# Altium PCB OECU_BASE.PcbDoc (part 5 of 6) (continued)
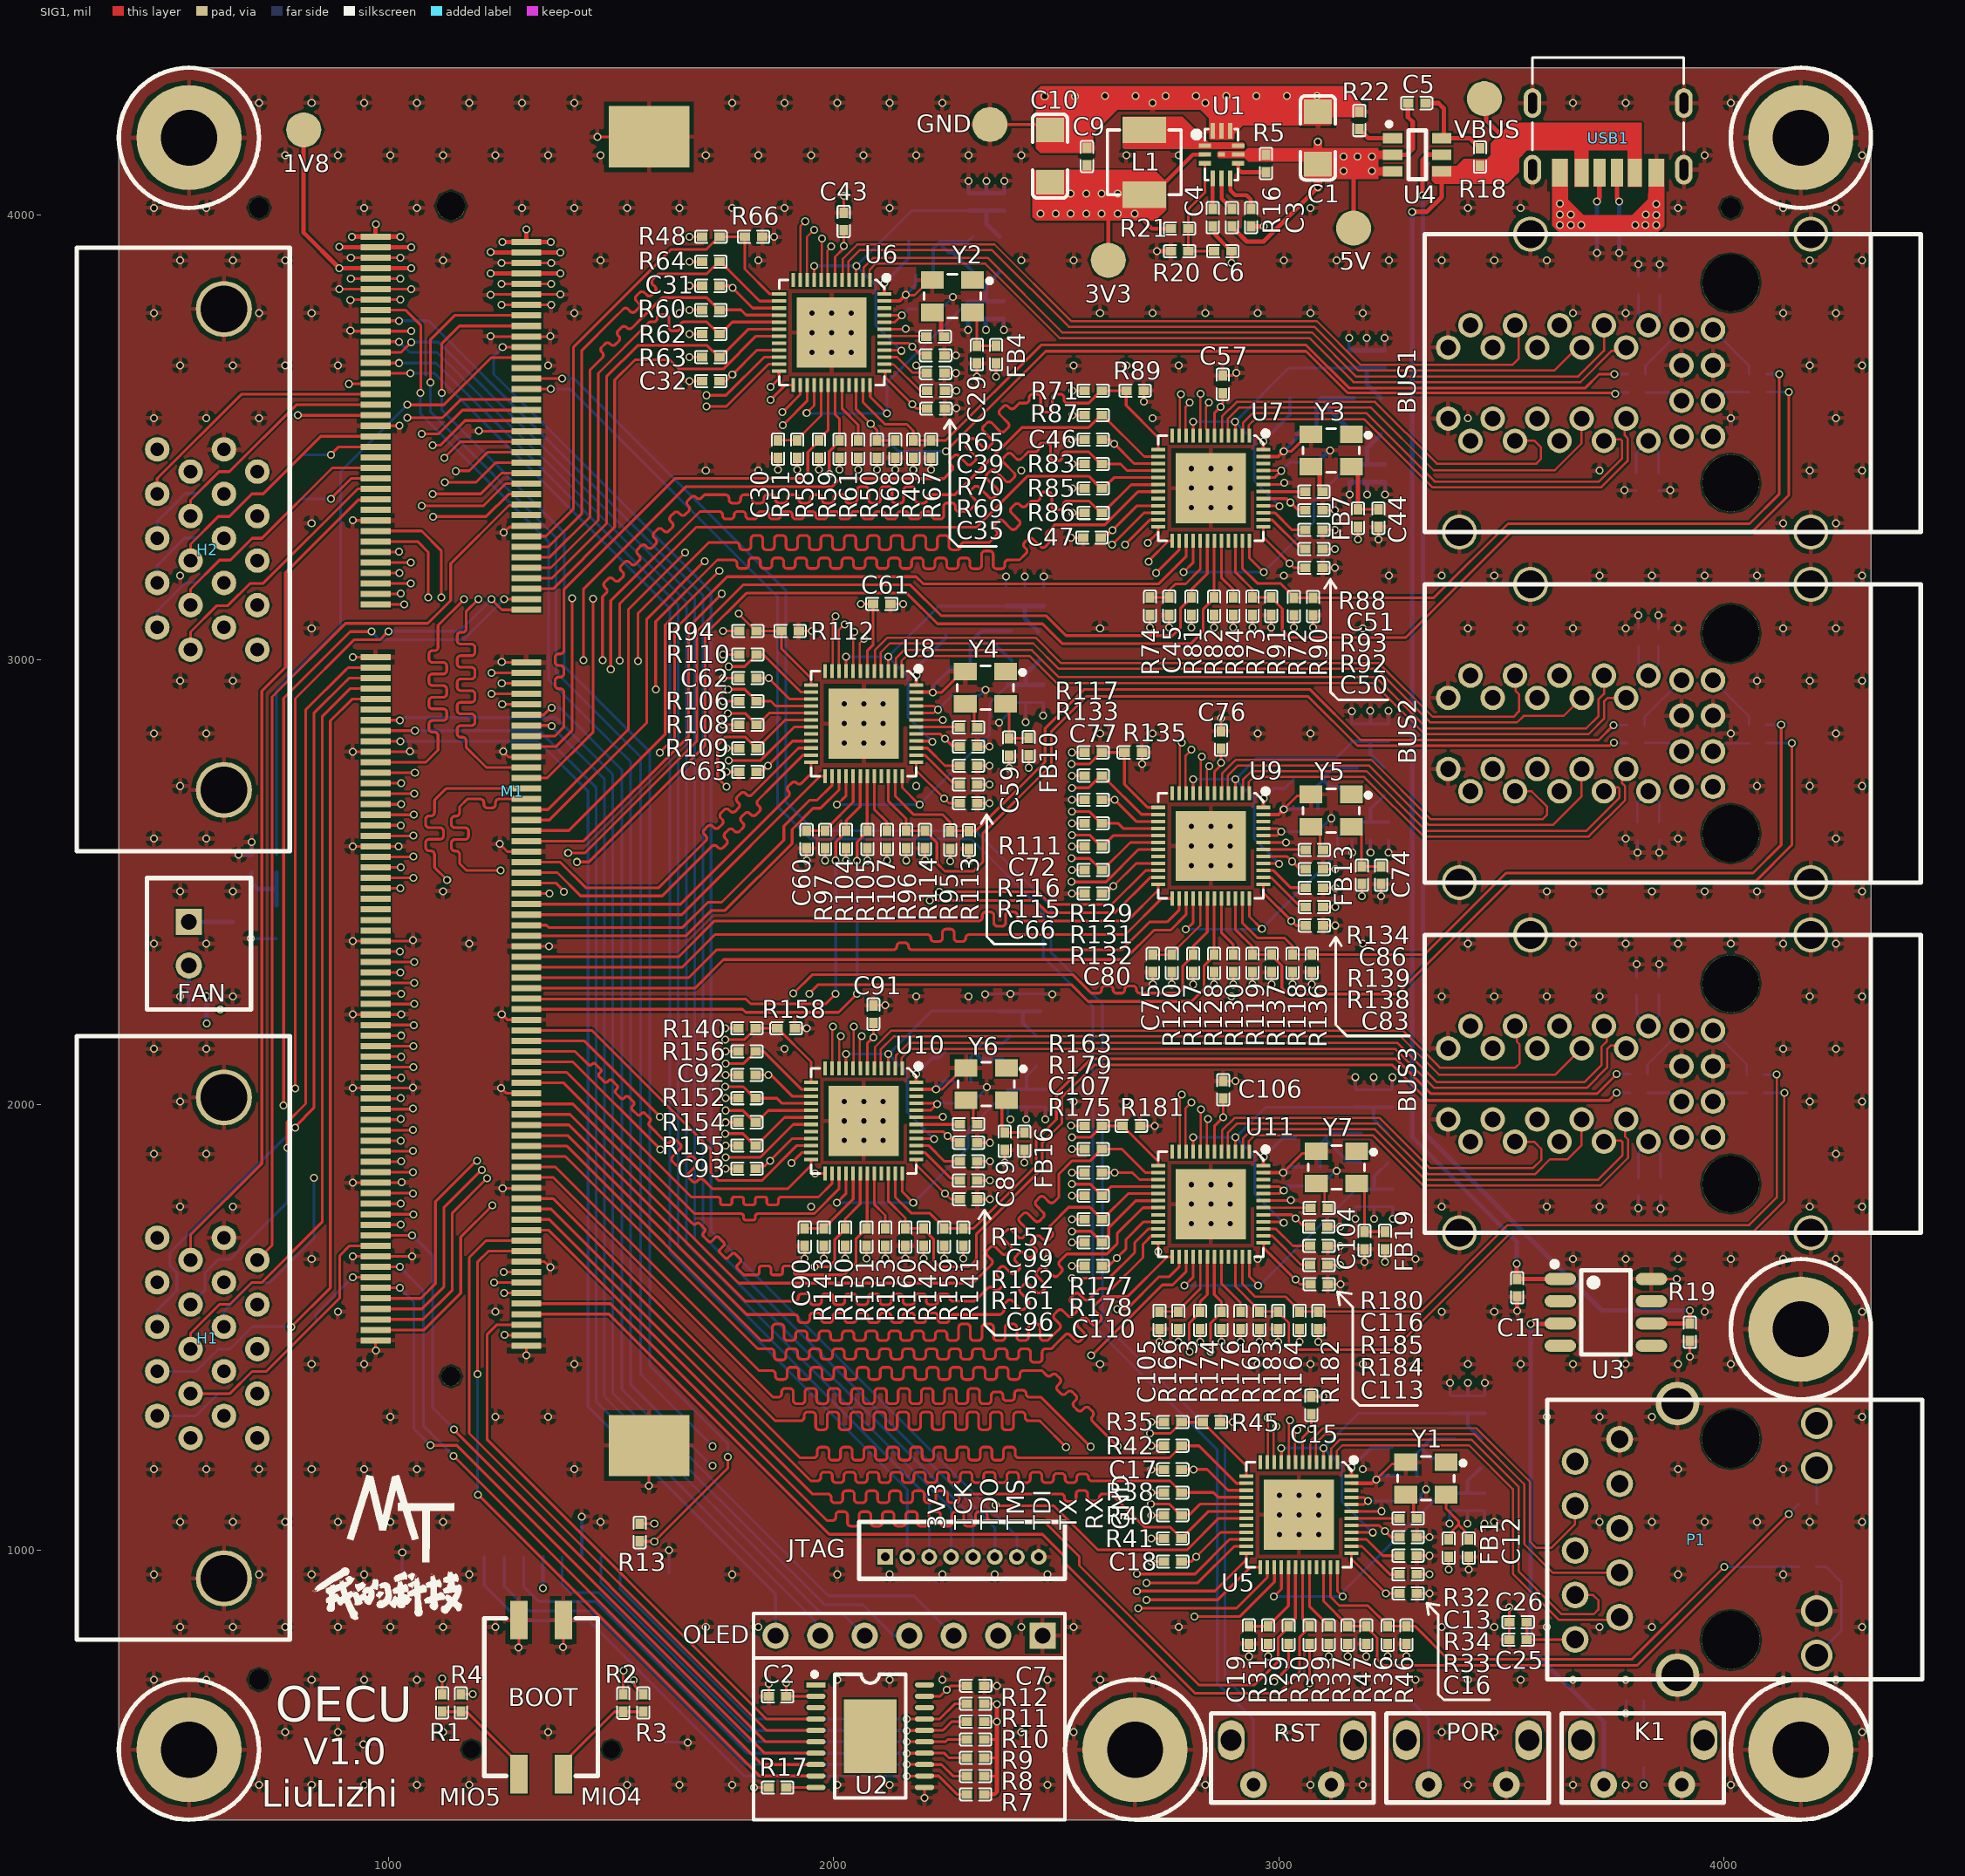
[diagram p0: SIG1 view]
## Nets (pads, with @x,y where several pads share a name; then routed paths per layer and width w, separated by ;. In a path a pad name is that pad's centre, name@x,y a point inside that pad or via, vN(x,y) a via of type N, cw(c..) or ccw(c..) an arc to the next point about the centre after c; other vN are vias at no path point) (continued)
  SIG3 w6: v1(1094,3623) 1094,3557 1376,3275 1376,2972 1566,2782 1566,1395 v1(1728,1233)
MIO7: M1.24 R190.1 | length 1444.5
  SIG1 w6: v1(1042,3573) 1124,3573 1230.45,3679.45 M1.24@1309.29,3679.45
  SIG3 w6: R190.1@748,2561.68 748,2931 892,3075 892,3423 v1(1042,3573)
MIO8: JTAG.6 M1.17 | length 3424
  SIG1 w6.16: M1.17@970.71,3762.13 970.83,3762 v1(1023,3762)
  SIG3 w6.16: v1(1023,3762) 1089.87,3762 1340.41,3511.46 1705.96,3145.91 1705.96,1705.98 2362.2,1049.73 JTAG.6@2362.2,984.25
MIO9: JTAG.7 M1.22 | length 3267.2
  SIG1 w6.16: v1(1256,3703) 1309.22,3703 M1.22@1309.29,3703.07
  SIG3 w6.16: v1(1256,3703) 1236,3683 1236,3642 1348.06,3529.94 1724.44,3153.56 1724.44,1717.56 2411.42,1030.58 JTAG.7@2411.42,984.25
MIO16: M1.176 U5.22 | length 2698.7
  SIG1 w6.16: M1.176@1309.29,1789.68 1369.32,1789.68 1869,1290 1922.46,1290 1925.54,1290 ccw(c1925.54,1297.85) 1933.39,1297.85 1933.39,1302.15 cw(c1941.24,1302.15) 1941.24,1310 1951.7,1310 cw(c1951.7,1302.15) 1959.55,1302.15 1959.55,1277.85 ccw(c1967.4,1277.85) 1967.4,1270 1977.86,1270 ccw(c1977.86,1277.85) 1985.71,1277.85 1985.71,1302.15 cw(c1993.56,1302.15) 1993.56,1310 2004.02,1310 cw(c2004.02,1302.15) 2011.87,1302.15 2011.87,1277.85 ccw(c2019.72,1277.85) 2019.72,1270 2030.18,1270 ccw(c2030.18,1277.85) 2038.03,1277.85 2038.03,1302.15 cw(c2045.88,1302.15) 2045.88,1310 2056.34,1310 cw(c2056.34,1302.15) 2064.19,1302.15 2064.19,1277.85 ccw(c2072.04,1277.85) 2072.04,1270 2082.5,1270 ccw(c2082.5,1277.85) 2090.35,1277.85 2090.35,1302.15 cw(c2098.2,1302.15) 2098.2,1310 2108.66,1310 cw(c2108.66,1302.15) 2116.51,1302.15 2116.51,1277.85 ccw(c2124.36,1277.85) 2124.36,1270 2134.82,1270 ccw(c2134.82,1277.85) 2142.67,1277.85 2142.67,1302.15 cw(c2150.52,1302.15) 2150.52,1310 2160.98,1310 cw(c2160.98,1302.15) 2168.83,1302.15 2168.83,1277.85 ccw(c2176.68,1277.85) 2176.68,1270 2187.14,1270 ccw(c2187.14,1277.85) 2194.99,1277.85 2194.99,1302.15 cw(c2202.84,1302.15) 2202.84,1310 2213.3,1310 cw(c2213.3,1302.15) 2221.15,1302.15 2221.15,1277.85 ccw(c2229,1277.85) 2229,1270 2239.46,1270 ccw(c2239.46,1277.85) 2247.31,1277.85 2247.31,1302.15 cw(c2255.16,1302.15) 2255.16,1310 2265.62,1310 cw(c2265.62,1302.15) 2273.47,1302.15 2273.47,1277.85 ccw(c2281.32,1277.85) 2281.32,1270 2291.78,1270 ccw(c2291.78,1277.85) 2299.63,1277.85 2299.63,1302.15 cw(c2307.48,1302.15) 2307.48,1310 2317.94,1310 cw(c2317.94,1302.15) 2325.79,1302.15 2325.79,1277.85 ccw(c2333.64,1277.85) 2333.64,1270 2344.1,1270 ccw(c2344.1,1277.85) 2351.95,1277.85 2351.95,1302.15 cw(c2359.8,1302.15) 2359.8,1310 2370.26,1310 cw(c2370.26,1302.15) 2378.11,1302.15 2378.11,1277.85 ccw(c2385.96,1277.85) 2385.96,1270 2396.42,1270 ccw(c2396.42,1277.85) 2404.27,1277.85 2404.27,1302.15 cw(c2412.12,1302.15) 2412.12,1310 2422.58,1310 cw(c2422.58,1302.15) 2430.43,1302.15 2430.43,1297.85 ccw(c2438.28,1297.85) 2438.28,1290 2463,1290 2468.53,1284.47 v1(2522,1231) ; v1(2681,946) 2812,946 2889.77,1023.77 U5.22@2927.28,1023.77
  SIG2 w5.61: v1(2522,1231) 2522,1182.83 2649,1055.83 2649,978 v1(2681,946)
MIO17: M1.171 U5.23 | length 2730.1
  SIG1 w6.16: M1.171@970.71,1848.74 1054.74,1848.74 v1(1055,1849) ; v1(2703,926) 2818.13,926 2900.16,1008.02 U5.23@2927.28,1008.02
  SIG2 w5.61: v1(1055,1849) 1178.93,1725.07 1401.57,1725.07 1872.64,1254 1973.06,1254 1975.86,1254 ccw(c1975.86,1261.68) 1983.55,1261.68 1983.55,1262.96 cw(c1991.23,1262.96) 1991.23,1270.64 2001.47,1270.64 cw(c2001.47,1262.96) 2009.16,1262.96 2009.16,1246.42 ccw(c2016.84,1246.42) 2016.84,1238.74 2027.08,1238.74 ccw(c2027.08,1246.42) 2034.77,1246.42 2034.77,1262.96 cw(c2042.45,1262.96) 2042.45,1270.64 2052.69,1270.64 cw(c2052.69,1262.96) 2060.38,1262.96 2060.38,1246.42 ccw(c2068.06,1246.42) 2068.06,1238.74 2078.3,1238.74 ccw(c2078.3,1246.42) 2085.99,1246.42 2085.99,1262.96 cw(c2093.67,1262.96) 2093.67,1270.64 2103.91,1270.64 cw(c2103.91,1262.96) 2111.6,1262.96 2111.6,1246.42 ccw(c2119.28,1246.42) 2119.28,1238.74 2129.52,1238.74 ccw(c2129.52,1246.42) 2137.21,1246.42 2137.21,1262.96 cw(c2144.89,1262.96) 2144.89,1270.64 2155.13,1270.64 cw(c2155.13,1262.96) 2162.82,1262.96 2162.82,1246.42 ccw(c2170.5,1246.42) 2170.5,1238.74 2180.74,1238.74 ccw(c2180.74,1246.42) 2188.43,1246.42 2188.43,1262.96 cw(c2196.11,1262.96) 2196.11,1270.64 2206.35,1270.64 cw(c2206.35,1262.96) 2214.04,1262.96 2214.04,1246.42 ccw(c2221.72,1246.42) 2221.72,1238.74 2231.96,1238.74 ccw(c2231.96,1246.42) 2239.65,1246.42 2239.65,1262.96 cw(c2247.33,1262.96) 2247.33,1270.64 2257.57,1270.64 cw(c2257.57,1262.96) 2265.26,1262.96 2265.26,1246.42 ccw(c2272.94,1246.42) 2272.94,1238.74 2283.18,1238.74 ccw(c2283.18,1246.42) 2290.87,1246.42 2290.87,1262.96 cw(c2298.55,1262.96) 2298.55,1270.64 2308.79,1270.64 cw(c2308.79,1262.96) 2316.48,1262.96 2316.48,1261.68 ccw(c2324.16,1261.68) 2324.16,1254 2345.14,1254 2395,1254 2619,1030 2619,973 2666,926 v1(2703,926)
MIO18: M1.175 U5.24 | length 2698.7
  SIG1 w6.16: M1.175@970.71,1801.49 1054.51,1801.49 v1(1055,1801) ; v1(2681,907.52) 2856.52,907.52 2927.28,978.28 U5.24@2927.28,992.28
  SIG2 w5.61: v1(1055,1801) 1074.29,1801 1168.15,1707.14 1394.15,1707.14 1903.29,1198 1995.61,1198 1998.41,1198 ccw(c1998.41,1205.68) 2006.09,1205.68 2006.09,1205.88 cw(c2013.78,1205.88) 2013.78,1213.56 2024.02,1213.56 cw(c2024.02,1205.88) 2031.7,1205.88 2031.7,1190.61 ccw(c2039.39,1190.61) 2039.39,1182.93 2049.63,1182.93 ccw(c2049.63,1190.61) 2057.31,1190.61 2057.31,1205.88 cw(c2065,1205.88) 2065,1213.56 2075.24,1213.56 cw(c2075.24,1205.88) 2082.92,1205.88 2082.92,1190.61 ccw(c2090.61,1190.61) 2090.61,1182.93 2100.85,1182.93 ccw(c2100.85,1190.61) 2108.53,1190.61 2108.53,1205.88 cw(c2116.22,1205.88) 2116.22,1213.56 2126.46,1213.56 cw(c2126.46,1205.88) 2134.14,1205.88 2134.14,1190.61 ccw(c2141.83,1190.61) 2141.83,1182.93 2152.07,1182.93 ccw(c2152.07,1190.61) 2159.75,1190.61 2159.75,1205.88 cw(c2167.44,1205.88) 2167.44,1213.56 2177.68,1213.56 cw(c2177.68,1205.88) 2185.36,1205.88 2185.36,1190.61 ccw(c2193.05,1190.61) 2193.05,1182.93 2203.29,1182.93 ccw(c2203.29,1190.61) 2210.97,1190.61 2210.97,1205.88 cw(c2218.66,1205.88) 2218.66,1213.56 2228.9,1213.56 cw(c2228.9,1205.88) 2236.58,1205.88 2236.58,1190.61 ccw(c2244.27,1190.61) 2244.27,1182.93 2254.51,1182.93 ccw(c2254.51,1190.61) 2262.19,1190.61 2262.19,1205.88 cw(c2269.88,1205.88) 2269.88,1213.56 2280.12,1213.56 cw(c2280.12,1205.88) 2287.8,1205.88 2287.8,1190.61 ccw(c2295.49,1190.61) 2295.49,1182.93 2305.73,1182.93 ccw(c2305.73,1190.61) 2313.41,1190.61 2313.41,1205.88 cw(c2321.1,1205.88) 2321.1,1213.56 2331.34,1213.56 cw(c2331.34,1205.88) 2339.02,1205.88 2339.02,1205.68 ccw(c2346.71,1205.68) 2346.71,1198 2400,1198 2401.62,1196.38 2591,1007 2591,970 2654,907 2680.48,907 v1(2681,907.52)
MIO19: M1.177 U5.25 | length 2398.6
  SIG1 w6.16: M1.177@970.71,1777.87 1026.87,1777.87 v1(1027,1778) ; v1(2703,888) 2863.13,888 2935.91,960.78 U5.25@2958.77,960.78
  SIG2 w5.61: v1(1027,1778) 1071.93,1778 1160.72,1689.21 1386.72,1689.21 1910.93,1165 2386,1165 2563.86,987.14 2563.86,967.14 2643,888 v1(2703,888)
MIO20: M1.179 U5.26 | length 2575.6
  SIG1 w6.16: M1.179@970.71,1754.25 1055.75,1754.25 v1(1056,1754) ; v1(2684,869) 2905,869 2974.52,938.52 U5.26@2974.52,960.78
  SIG2 w5.61: v1(1056,1754) 1057.1,1752.9 1068.1,1752.9 1149.72,1671.28 1379.29,1671.28 1914.57,1136 1970.49,1136 1998.9,1136 cw(c1998.9,1128.32) 2006.59,1128.32 2006.59,1126.55 ccw(c2014.27,1126.55) 2014.27,1118.86 2024.51,1118.86 ccw(c2024.51,1126.55) 2032.2,1126.55 2032.2,1134.4 cw(c2039.88,1134.4) 2039.88,1142.08 2050.12,1142.08 cw(c2050.12,1134.4) 2057.81,1134.4 2057.81,1126.55 ccw(c2065.49,1126.55) 2065.49,1118.86 2075.73,1118.86 ccw(c2075.73,1126.55) 2083.42,1126.55 2083.42,1134.4 cw(c2091.1,1134.4) 2091.1,1142.08 2101.34,1142.08 cw(c2101.34,1134.4) 2109.03,1134.4 2109.03,1126.55 ccw(c2116.71,1126.55) 2116.71,1118.86 2126.95,1118.86 ccw(c2126.95,1126.55) 2134.64,1126.55 2134.64,1134.4 cw(c2142.32,1134.4) 2142.32,1142.08 2152.56,1142.08 cw(c2152.56,1134.4) 2160.25,1134.4 2160.25,1126.55 ccw(c2167.93,1126.55) 2167.93,1118.86 2178.17,1118.86 ccw(c2178.17,1126.55) 2185.86,1126.55 2185.86,1134.4 cw(c2193.54,1134.4) 2193.54,1142.08 2203.78,1142.08 cw(c2203.78,1134.4) 2211.47,1134.4 2211.47,1126.55 ccw(c2219.15,1126.55) 2219.15,1118.86 2229.39,1118.86 ccw(c2229.39,1126.55) 2237.08,1126.55 2237.08,1128.32 cw(c2244.76,1128.32) 2244.76,1136 2298.51,1136 2368.93,1136 2632.54,872.39 2632.61,872.39 2636,869 v1(2684,869)
MIO21: M1.172 U5.27 | length 2786.7
  SIG1 w6.16: M1.172@1309.29,1836.92 1370.08,1836.92 1864,1343 1872.13,1343 1875.22,1343 ccw(c1875.22,1350.85) 1883.06,1350.85 1883.06,1355.15 cw(c1890.91,1355.15) 1890.91,1363 1901.38,1363 cw(c1901.38,1355.15) 1909.22,1355.15 1909.22,1336.32 ccw(c1917.07,1336.32) 1917.07,1328.47 1927.54,1328.47 ccw(c1927.54,1336.32) 1935.38,1336.32 1935.38,1355.15 cw(c1943.23,1355.15) 1943.23,1363 1953.7,1363 cw(c1953.7,1355.15) 1961.54,1355.15 1961.54,1336.32 ccw(c1969.39,1336.32) 1969.39,1328.47 1979.86,1328.47 ccw(c1979.86,1336.32) 1987.7,1336.32 1987.7,1355.15 cw(c1995.55,1355.15) 1995.55,1363 2006.02,1363 cw(c2006.02,1355.15) 2013.86,1355.15 2013.86,1336.32 ccw(c2021.71,1336.32) 2021.71,1328.47 2032.18,1328.47 ccw(c2032.18,1336.32) 2040.02,1336.32 2040.02,1355.15 cw(c2047.87,1355.15) 2047.87,1363 2058.34,1363 cw(c2058.34,1355.15) 2066.18,1355.15 2066.18,1336.32 ccw(c2074.03,1336.32) 2074.03,1328.47 2084.5,1328.47 ccw(c2084.5,1336.32) 2092.34,1336.32 2092.34,1355.15 cw(c2100.19,1355.15) 2100.19,1363 2110.66,1363 cw(c2110.66,1355.15) 2118.5,1355.15 2118.5,1336.32 ccw(c2126.35,1336.32) 2126.35,1328.47 2136.82,1328.47 ccw(c2136.82,1336.32) 2144.66,1336.32 2144.66,1355.15 cw(c2152.51,1355.15) 2152.51,1363 2162.98,1363 cw(c2162.98,1355.15) 2170.82,1355.15 2170.82,1336.32 ccw(c2178.67,1336.32) 2178.67,1328.47 2189.14,1328.47 ccw(c2189.14,1336.32) 2196.98,1336.32 2196.98,1355.15 cw(c2204.83,1355.15) 2204.83,1363 2215.3,1363 cw(c2215.3,1355.15) 2223.14,1355.15 2223.14,1336.32 ccw(c2230.99,1336.32) 2230.99,1328.47 2241.46,1328.47 ccw(c2241.46,1336.32) 2249.3,1336.32 2249.3,1355.15 cw(c2257.15,1355.15) 2257.15,1363 2267.62,1363 cw(c2267.62,1355.15) 2275.46,1355.15 2275.46,1336.32 ccw(c2283.31,1336.32) 2283.31,1328.47 2293.78,1328.47 ccw(c2293.78,1336.32) 2301.62,1336.32 2301.62,1355.15 cw(c2309.47,1355.15) 2309.47,1363 2319.94,1363 cw(c2319.94,1355.15) 2327.78,1355.15 2327.78,1336.32 ccw(c2335.63,1336.32) 2335.63,1328.47 2346.1,1328.47 ccw(c2346.1,1336.32) 2353.94,1336.32 2353.94,1347.19 cw(c2361.79,1347.19) 2361.79,1355.04 2372.26,1355.04 cw(c2372.26,1347.19) 2380.1,1347.19 2380.1,1343 ccw(c2387.95,1343) 2387.95,1335.15 2398.42,1335.15 ccw(c2398.42,1343) 2406.26,1343 2406.26,1350.85 cw(c2414.11,1350.85) 2414.11,1358.7 2424.58,1358.7 cw(c2424.58,1350.85) 2432.42,1350.85 ccw(c2440.27,1350.85) 2440.27,1343 2466,1343 2472.33,1336.67 v1(2577,1232) ; v1(2811,850) 2811.52,850.52 2912.65,850.52 2990.27,928.13 U5.27@2990.27,960.78
  SIG2 w5.61: v1(2577,1232) 2577,1183.98 2680,1080.98 2680,979.76 2809.76,850 v1(2811,850)
MIO22: M1.181 U5.19 | length 2290.4
  SIG1 w6.16: M1.181@970.71,1730.62 1026.62,1730.62 v1(1027,1731) ; v1(2363.77,1100.77) 2365.54,1099 2495,1099 2594,1000 2794,1000 2865.02,1071.02 U5.19@2927.28,1071.02
  SIG2 w5.61: v1(1027,1731) 1061,1731 1138.65,1653.35 1371.87,1653.35 1926.22,1099 2362,1099 v1(2363.77,1100.77)
MIO23: M1.178 R42.1 U5.14 | length 2293.7
  SIG1 w6.16: M1.178@1309.29,1766.06 1364.94,1766.06 1924,1207 1952.15,1207 1955.23,1207 ccw(c1955.23,1214.85) 1963.08,1214.85 1963.08,1223.2 cw(c1970.93,1223.2) 1970.93,1231.05 1981.39,1231.05 cw(c1981.39,1223.2) 1989.24,1223.2 1989.24,1209.44 ccw(c1997.09,1209.44) 1997.09,1201.6 2007.55,1201.6 ccw(c2007.55,1209.44) 2015.4,1209.44 2015.4,1223.2 cw(c2023.25,1223.2) 2023.25,1231.05 2033.71,1231.05 cw(c2033.71,1223.2) 2041.56,1223.2 2041.56,1209.44 ccw(c2049.41,1209.44) 2049.41,1201.6 2059.87,1201.6 ccw(c2059.87,1209.44) 2067.72,1209.44 2067.72,1223.2 cw(c2075.57,1223.2) 2075.57,1231.05 2086.03,1231.05 cw(c2086.03,1223.2) 2093.88,1223.2 2093.88,1209.44 ccw(c2101.73,1209.44) 2101.73,1201.6 2112.19,1201.6 ccw(c2112.19,1209.44) 2120.04,1209.44 2120.04,1223.2 cw(c2127.89,1223.2) 2127.89,1231.05 2138.35,1231.05 cw(c2138.35,1223.2) 2146.2,1223.2 2146.2,1209.44 ccw(c2154.05,1209.44) 2154.05,1201.6 2164.51,1201.6 ccw(c2164.51,1209.44) 2172.36,1209.44 2172.36,1223.2 cw(c2180.21,1223.2) 2180.21,1231.05 2190.67,1231.05 cw(c2190.67,1223.2) 2198.52,1223.2 2198.52,1209.44 ccw(c2206.37,1209.44) 2206.37,1201.6 2216.83,1201.6 ccw(c2216.83,1209.44) 2224.68,1209.44 2224.68,1223.2 cw(c2232.53,1223.2) 2232.53,1231.05 2242.99,1231.05 cw(c2242.99,1223.2) 2250.84,1223.2 2250.84,1209.44 ccw(c2258.69,1209.44) 2258.69,1201.6 2269.15,1201.6 ccw(c2269.15,1209.44) 2277,1209.44 2277,1223.2 cw(c2284.85,1223.2) 2284.85,1231.05 2295.31,1231.05 cw(c2295.31,1223.2) 2303.16,1223.2 2303.16,1209.44 ccw(c2311.01,1209.44) 2311.01,1201.6 2321.47,1201.6 ccw(c2321.47,1209.44) 2329.32,1209.44 2329.32,1223.2 cw(c2337.17,1223.2) 2337.17,1231.05 2347.63,1231.05 cw(c2347.63,1223.2) 2355.48,1223.2 2355.48,1209.44 ccw(c2363.33,1209.44) 2363.33,1201.6 2373.79,1201.6 ccw(c2373.79,1209.44) 2381.64,1209.44 2381.64,1223.2 cw(c2389.49,1223.2) 2389.49,1231.05 2399.95,1231.05 cw(c2399.95,1223.2) 2407.8,1223.2 2407.8,1214.85 ccw(c2415.65,1214.85) 2415.65,1207 2431.35,1207 2754.69,1207 R42.1@2781.68,1234 2821,1234 2905.24,1149.76 U5.14@2927.28,1149.76
MIO24: M1.180 R38.1 U5.16 | length 2260.6
  SIG1 w6.16: M1.180@1309.29,1742.44 1361.18,1742.44 1948.62,1155 1959.77,1155 1962.85,1155 ccw(c1962.85,1162.85) 1970.7,1162.85 1970.7,1167.15 cw(c1978.55,1167.15) 1978.55,1175 1989.01,1175 cw(c1989.01,1167.15) 1996.86,1167.15 1996.86,1159.2 ccw(c2004.71,1159.2) 2004.71,1151.35 2015.17,1151.35 ccw(c2015.17,1159.2) 2023.02,1159.2 2023.02,1167.15 cw(c2030.87,1167.15) 2030.87,1175 2041.33,1175 cw(c2041.33,1167.15) 2049.18,1167.15 2049.18,1159.2 ccw(c2057.03,1159.2) 2057.03,1151.35 2067.49,1151.35 ccw(c2067.49,1159.2) 2075.34,1159.2 2075.34,1167.15 cw(c2083.19,1167.15) 2083.19,1175 2093.65,1175 cw(c2093.65,1167.15) 2101.5,1167.15 2101.5,1159.2 ccw(c2109.35,1159.2) 2109.35,1151.35 2119.81,1151.35 ccw(c2119.81,1159.2) 2127.66,1159.2 2127.66,1167.15 cw(c2135.51,1167.15) 2135.51,1175 2145.97,1175 cw(c2145.97,1167.15) 2153.82,1167.15 2153.82,1159.2 ccw(c2161.67,1159.2) 2161.67,1151.35 2172.13,1151.35 ccw(c2172.13,1159.2) 2179.98,1159.2 2179.98,1167.15 cw(c2187.83,1167.15) 2187.83,1175 2198.29,1175 cw(c2198.29,1167.15) 2206.14,1167.15 2206.14,1159.2 ccw(c2213.99,1159.2) 2213.99,1151.35 2224.45,1151.35 ccw(c2224.45,1159.2) 2232.3,1159.2 2232.3,1167.15 cw(c2240.15,1167.15) 2240.15,1175 2250.61,1175 cw(c2250.61,1167.15) 2258.46,1167.15 2258.46,1159.2 ccw(c2266.31,1159.2) 2266.31,1151.35 2276.77,1151.35 ccw(c2276.77,1159.2) 2284.62,1159.2 2284.62,1167.15 cw(c2292.47,1167.15) 2292.47,1175 2302.93,1175 cw(c2302.93,1167.15) 2310.78,1167.15 2310.78,1159.2 ccw(c2318.63,1159.2) 2318.63,1151.35 2329.09,1151.35 ccw(c2329.09,1159.2) 2336.94,1159.2 2336.94,1167.15 cw(c2344.79,1167.15) 2344.79,1175 2355.25,1175 cw(c2355.25,1167.15) 2363.1,1167.15 2363.1,1159.2 ccw(c2370.95,1159.2) 2370.95,1151.35 2381.41,1151.35 ccw(c2381.41,1159.2) 2389.26,1159.2 2389.26,1167.15 cw(c2397.11,1167.15) 2397.11,1175 2407.57,1175 cw(c2407.57,1167.15) 2415.42,1167.15 2415.42,1159.2 ccw(c2423.27,1159.2) 2423.27,1151.35 2433.73,1151.35 ccw(c2433.73,1159.2) 2441.58,1159.2 2441.58,1167.15 cw(c2449.43,1167.15) 2449.43,1175 2459.89,1175 cw(c2459.89,1167.15) 2467.74,1167.15 2467.74,1159.2 ccw(c2475.59,1159.2) 2475.59,1151.35 2486.05,1151.35 ccw(c2486.05,1159.2) 2493.9,1159.2 2493.9,1164.15 cw(c2501.75,1164.15) 2501.75,1172 2512.21,1172 cw(c2512.21,1164.15) 2520.06,1164.15 2520.06,1159.2 ccw(c2527.91,1159.2) 2527.91,1151.35 2538.37,1151.35 ccw(c2538.37,1159.2) 2546.22,1159.2 2546.22,1162.85 cw(c2554.07,1162.85) 2554.07,1170.7 2564.53,1170.7 cw(c2564.53,1162.85) 2572.38,1162.85 ccw(c2580.23,1162.85) 2580.23,1155 2648.86,1155 2755.68,1155 R38.1@2781.68,1129 2853,1129 2863.74,1118.26 U5.16@2927.28,1118.26
MIO25: M1.170 R40.1 U5.17 | length 2501.3
  SIG1 w6.16: M1.170@1309.29,1860.55 1374.45,1860.55 1832,1403 1861.24,1403 cw(c1861.24,1395.15) 1869.09,1395.15 1869.09,1390.86 ccw(c1876.94,1390.86) 1876.94,1383.01 1887.4,1383.01 ccw(c1887.4,1390.86) 1895.25,1390.86 1895.25,1402.48 cw(c1903.1,1402.48) 1903.1,1410.33 1913.56,1410.33 cw(c1913.56,1402.48) 1921.41,1402.48 1921.41,1390.86 ccw(c1929.26,1390.86) 1929.26,1383.01 1939.72,1383.01 ccw(c1939.72,1390.86) 1947.57,1390.86 1947.57,1402.48 cw(c1955.42,1402.48) 1955.42,1410.33 1965.88,1410.33 cw(c1965.88,1402.48) 1973.73,1402.48 1973.73,1390.86 ccw(c1981.58,1390.86) 1981.58,1383.01 1992.04,1383.01 ccw(c1992.04,1390.86) 1999.89,1390.86 1999.89,1402.48 cw(c2007.74,1402.48) 2007.74,1410.33 2018.2,1410.33 cw(c2018.2,1402.48) 2026.05,1402.48 2026.05,1390.86 ccw(c2033.9,1390.86) 2033.9,1383.01 2044.36,1383.01 ccw(c2044.36,1390.86) 2052.21,1390.86 2052.21,1402.48 cw(c2060.06,1402.48) 2060.06,1410.33 2070.52,1410.33 cw(c2070.52,1402.48) 2078.37,1402.48 2078.37,1390.86 ccw(c2086.22,1390.86) 2086.22,1383.01 2096.68,1383.01 ccw(c2096.68,1390.86) 2104.53,1390.86 2104.53,1402.48 cw(c2112.38,1402.48) 2112.38,1410.33 2122.84,1410.33 cw(c2122.84,1402.48) 2130.69,1402.48 2130.69,1390.86 ccw(c2138.54,1390.86) 2138.54,1383.01 2149,1383.01 ccw(c2149,1390.86) 2156.85,1390.86 2156.85,1402.48 cw(c2164.7,1402.48) 2164.7,1410.33 2175.16,1410.33 cw(c2175.16,1402.48) 2183.01,1402.48 2183.01,1390.86 ccw(c2190.86,1390.86) 2190.86,1383.01 2201.32,1383.01 ccw(c2201.32,1390.86) 2209.17,1390.86 2209.17,1402.48 cw(c2217.02,1402.48) 2217.02,1410.33 2227.48,1410.33 cw(c2227.48,1402.48) 2235.33,1402.48 2235.33,1390.86 ccw(c2243.18,1390.86) 2243.18,1383.01 2253.64,1383.01 ccw(c2253.64,1390.86) 2261.49,1390.86 2261.49,1402.48 cw(c2269.34,1402.48) 2269.34,1410.33 2279.8,1410.33 cw(c2279.8,1402.48) 2287.65,1402.48 2287.65,1390.86 ccw(c2295.5,1390.86) 2295.5,1383.01 2305.96,1383.01 ccw(c2305.96,1390.86) 2313.81,1390.86 2313.81,1402.48 cw(c2321.66,1402.48) 2321.66,1410.33 2332.12,1410.33 cw(c2332.12,1402.48) 2339.97,1402.48 2339.97,1390.86 ccw(c2347.82,1390.86) 2347.82,1383.01 2358.28,1383.01 ccw(c2358.28,1390.86) 2366.13,1390.86 2366.13,1402.48 cw(c2373.98,1402.48) 2373.98,1410.33 2384.44,1410.33 cw(c2384.44,1402.48) 2392.29,1402.48 2392.29,1390.86 ccw(c2400.14,1390.86) 2400.14,1383.01 2410.6,1383.01 ccw(c2410.6,1390.86) 2418.45,1390.86 2418.45,1395.15 cw(c2426.3,1395.15) 2426.3,1403 2467.77,1403 2475.83,1394.94 2478.01,1392.76 ccw(c2483.56,1398.31) 2489.11,1392.76 2489.61,1393.26 cw(c2495.15,1387.71) 2500.7,1393.26 2508.1,1385.86 cw(c2502.55,1380.31) 2508.1,1374.76 2503.07,1369.73 ccw(c2508.62,1364.18) 2503.07,1358.63 2510.47,1351.23 ccw(c2516.02,1356.78) 2521.57,1351.23 2525.31,1354.97 cw(c2530.86,1349.43) 2536.41,1354.97 2543.81,1347.58 cw(c2538.26,1342.03) 2543.81,1336.48 2540.07,1332.74 ccw(c2545.62,1327.19) 2540.07,1321.64 2547.47,1314.24 ccw(c2553.02,1319.79) 2558.56,1314.24 2563.1,1318.77 cw(c2568.65,1313.22) 2574.2,1318.77 2581.6,1311.37 cw(c2576.05,1305.82) 2581.6,1300.27 ccw(c2587.14,1294.72) 2581.59,1289.17 2628.75,1242.02 2630.93,1239.84 2637.77,1233 v1(2638,1233) ; v1(2713,1103) 2754.72,1103 2779.72,1078 R40.1@2781.68,1078 2782.81,1079.13 2799.13,1079.13 2823,1103 U5.17@2927.28,1103
  SIG2 w5.61: v1(2638,1233) 2638,1178 v1(2713,1103)
MIO26: M1.182 R41.1 U5.18 | length 2211.9
  SIG1 w6.16: M1.182@1309.29,1718.81 1358.67,1718.81 1951.49,1126 1957.08,1126 1986.32,1126 cw(c1986.32,1118.15) 1994.17,1118.15 1994.17,1113.85 ccw(c2002.02,1113.85) 2002.02,1106 2012.48,1106 ccw(c2012.48,1113.85) 2020.33,1113.85 2020.33,1125.12 cw(c2028.18,1125.12) 2028.18,1132.97 2038.64,1132.97 cw(c2038.64,1125.12) 2046.49,1125.12 2046.49,1113.85 ccw(c2054.34,1113.85) 2054.34,1106 2064.8,1106 ccw(c2064.8,1113.85) 2072.65,1113.85 2072.65,1125.12 cw(c2080.5,1125.12) 2080.5,1132.97 2090.96,1132.97 cw(c2090.96,1125.12) 2098.81,1125.12 2098.81,1113.85 ccw(c2106.66,1113.85) 2106.66,1106 2117.12,1106 ccw(c2117.12,1113.85) 2124.97,1113.85 2124.97,1125.12 cw(c2132.82,1125.12) 2132.82,1132.97 2143.28,1132.97 cw(c2143.28,1125.12) 2151.13,1125.12 2151.13,1113.85 ccw(c2158.98,1113.85) 2158.98,1106 2169.44,1106 ccw(c2169.44,1113.85) 2177.29,1113.85 2177.29,1125.12 cw(c2185.14,1125.12) 2185.14,1132.97 2195.6,1132.97 cw(c2195.6,1125.12) 2203.45,1125.12 2203.45,1113.85 ccw(c2211.3,1113.85) 2211.3,1106 2221.76,1106 ccw(c2221.76,1113.85) 2229.61,1113.85 2229.61,1125.12 cw(c2237.46,1125.12) 2237.46,1132.97 2247.92,1132.97 cw(c2247.92,1125.12) 2255.77,1125.12 2255.77,1113.85 ccw(c2263.62,1113.85) 2263.62,1106 2274.08,1106 ccw(c2274.08,1113.85) 2281.93,1113.85 2281.93,1118.15 cw(c2289.78,1118.15) 2289.78,1126 2398.14,1126 2481.38,1126 2510.62,1126 cw(c2510.62,1118.15) 2518.47,1118.15 2518.47,1117.07 ccw(c2526.31,1117.07) 2526.31,1109.23 2536.78,1109.23 ccw(c2536.78,1117.07) 2544.63,1117.07 2544.63,1125.65 cw(c2552.47,1125.65) 2552.47,1133.5 2562.94,1133.5 cw(c2562.94,1125.65) 2570.79,1125.65 2570.79,1118.15 ccw(c2578.63,1118.15) 2578.63,1110.3 2589.1,1110.3 ccw(c2589.1,1118.15) 2596.95,1118.15 cw(c2604.79,1118.15) 2604.79,1126 2624,1126 2630.36,1119.64 2699,1051 2756.68,1051 R41.1@2781.68,1026 2842.45,1086.76 U5.18@2927.28,1086.76
MIO27: M1.169 R35.2 R45.1 U5.13 | length 2346.5
  SIG1 w6.16: M1.169@970.71,1872.36 1027.36,1872.36 v1(1028,1873) ; v1(2711,1262) 2756.68,1262 R35.2@2781.69,1287 R45.1@2829.32,1287 2831.28,1287 2838.05,1280.24 2838.05,1278.27 2927.28,1189.04 U5.13@2927.28,1165.5
  SIG2 w5.61: v1(1028,1873) 1062,1873 1192,1743 1409,1743 1852,1300 2504.52,1300 2532.93,1300 cw(c2532.93,1292.32) 2540.62,1292.32 2540.62,1287.49 ccw(c2548.3,1287.49) 2548.3,1279.81 2558.54,1279.81 ccw(c2558.54,1287.49) 2566.23,1287.49 2566.23,1295.62 cw(c2573.91,1295.62) 2573.91,1303.3 2584.15,1303.3 cw(c2584.15,1295.62) 2591.84,1295.62 2591.84,1287.49 ccw(c2599.52,1287.49) 2599.52,1279.81 2609.76,1279.81 ccw(c2609.76,1287.49) 2617.45,1287.49 2617.45,1292.32 cw(c2625.13,1292.32) 2625.13,1300 2654.27,1300 2673,1300 v1(2711,1262)
MIO28: H2.5 M1.42 | length 705.4
  SIG1 w6.16: v1(1151,3424) 1152,3425 1181,3425 1222.85,3466.85 M1.42@1309.29,3466.85
  SIG2 w5.61: H2.5@704.92,3223.03 905.89,3424 v1(1151,3424)
MIO29: H2.7 M1.36 | length 693.3
  SIG1 w6.16: v1(1099,3482) 1116,3482 1171.72,3537.72 M1.36@1309.29,3537.72
  SIG2 w5.61: H2.7@704.92,3323.03 863.89,3482 v1(1099,3482)
MIO30: H2.4 M1.44 | length 791.3
  SIG1 w6.16: v1(1126,3399) 1196,3399 1240.23,3443.23 M1.44@1309.29,3443.23
  SIG2 w5.61: H2.4@629.92,3173.03 719.03,3173.03 945,3399 v1(1126,3399)
MIO31: H2.14 M1.41 | length 640.2
  SIG1 w6.16: v1(870,3461) 887.66,3478.66 M1.41@970.71,3478.66
  SIG3 w6.16: H2.14@479.92,3173.03 479.92,3211.92 542,3274 569,3274 617,3322 641,3322 692,3373 718,3373 806,3461 v1(870,3461)
MIO32: H2.8 M1.34 | length 757.4
  SIG1 w6.16: v1(1074,3508) 1112.5,3508 1165.84,3561.34 M1.34@1309.29,3561.34
  SIG2 w5.61: H2.8@629.92,3373.03 718.03,3373.03 852,3507 1073,3507 v1(1074,3508)
MIO33: H2.18 M1.31 | length 603.9
  SIG1 w6.16: H2.18@479.92,3373.03 479.92,3407.92 668.77,3596.77 M1.31@970.71,3596.77
MIO34: H2.9 M1.32 | length 671.4
  SIG1 w6.16: v1(1042,3544) 1121,3544 1131.6,3554.6 1161.98,3584.96 M1.32@1309.29,3584.96
  SIG2 w5.61: H2.9@704.92,3423.03 825.89,3544 v1(1042,3544)
MIO35: H2.15 M1.39 | length 553.1
  SIG1 w6.16: H2.15@554.92,3223.03 554.92,3259.92 617,3322 642,3322 693,3373 718,3373 847.28,3502.28 M1.39@970.71,3502.28
MIO36: H2.19 M1.29 | length 520.9
  SIG1 w6.16: v1(911,3620) 911.39,3620.39 M1.29@970.71,3620.39
  SIG2 w5.61: H2.19@554.92,3423.03 554.92,3462.92 712,3620 v1(911,3620)
MIO37: H2.16 M1.35 | length 627.9
  SIG1 w6.16: v1(796,3550) 796.47,3549.53 M1.35@970.71,3549.53
  SIG3 w6.16: H2.16@479.92,3273.03 479.92,3310.92 514,3345 543,3374 570,3374 619,3423 642,3423 769,3550 v1(796,3550)
MIO38: H2.17 M1.33 | length 540.4
  SIG1 w6.16: H2.17@554.92,3323.03 554.92,3358.92 619,3423 642,3423 792.15,3573.15 M1.33@970.71,3573.15
MIO39: H2.6 M1.40 | length 769.4
  SIG1 w6.16: v1(1125,3454) 1161.47,3490.47 M1.40@1309.29,3490.47
  SIG2 w5.61: H2.6@629.92,3273.03 714.03,3273.03 895,3454 v1(1125,3454)
MIO40: M1.183 U2.6 | length 1662.2
  SIG1 w6.16: M1.183@970.71,1707 v1(1053,1707) ; v1(1147,1271) 1147,1269 1847.1,568.9 U2.6@1960,568.9
  SIG3 w6.16: v1(1053,1707) 1099,1661 1099,1319 v1(1147,1271)
MIO41: M1.193 U2.7 | length 1589.4
  SIG1 w6.16: M1.193@970.71,1588.89 970.82,1589 v1(1025,1589) ; v1(1094,1235) 1153.13,1235 1844.83,543.31 U2.7@1960,543.31
  SIG3 w6.16: v1(1025,1589) 1056.52,1557.48 1056.52,1272.48 v1(1094,1235)
MIO42: M1.184 U2.5 | length 1594.6
  SIG1 w6.16: M1.184@1309.29,1695.19 1219.19,1695.19 1181,1657 1181,1262 1848.51,594.49 U2.5@1960,594.49
MIO43: M1.200 U2.4 | length 1332.1
  SIG1 w6.16: M1.200@1309.29,1506.21 1243.21,1506.21 1221.5,1484.5 1221.5,1247.63 1849.06,620.08 U2.4@1960,620.08
MIO44: M1.186 U2.9 | length 1664
  SIG1 w6.16: v1(1199.48,1395) 1199.48,1646.48 1224.57,1671.57 M1.186@1309.29,1671.57 ; v1(1201,1124) 1832.88,492.12 U2.9@1960,492.12
  SIG3 w6.16: v1(1199.48,1395) 1199.48,1125.52 v1(1201,1124)
MIO45: M1.189 U2.8 | length 1630.6
  SIG1 w6.16: M1.189@970.71,1636.14 970.85,1636 v1(1025,1636) ; v1(1146,1211) 1839.29,517.71 U2.8@1960,517.71
  SIG3 w6.16: v1(1025,1636) 1078,1583 1078,1279 v1(1146,1211)
MIO46: H1.13 M1.185 | length 609
  SIG1 w6.16: H1.13@554.92,1351.38 643.38,1351.38 693,1401 725,1401 890,1566 890,1661 912.38,1683.38 M1.185@970.71,1683.38
MIO47: H1.3 M1.190 | length 717.4
  SIG1 w6.16: v1(1258,1624) 1258.33,1624.33 M1.190@1309.29,1624.33
  SIG2 w5.61: H1.3@704.92,1351.38 919.38,1351.38 1192,1624 v1(1258,1624)
MIO48: H1.1 M1.194 | length 740.9
  SIG1 w6.16: v1(1259,1577) 1259.08,1577.08 M1.194@1309.29,1577.08
  SIG2 w5.61: H1.1@703.77,1250.23 872.23,1250.23 1199,1577 v1(1259,1577)
MIO49: H1.12 M1.191 | length 630.6
  SIG1 w6.16: v1(919,1613) 919.49,1612.51 M1.191@970.71,1612.51
  SIG3 w6.16: H1.12@479.92,1301.38 567.38,1301.38 617,1351 643,1351 693,1401 725,1401 836,1512 836,1530 v1(919,1613)
MIO50: H1.2 M1.192 | length 803.6
  SIG1 w6.16: v1(1237,1601) 1237.3,1600.7 M1.192@1309.29,1600.7
  SIG2 w5.61: H1.2@629.92,1301.38 894.73,1301.38 1194.36,1601 v1(1237,1601)
MIO51: H1.11 M1.202 | length 888.1
  SIG1 w6.16: v1(1260,1483) 1260.41,1482.59 M1.202@1309.29,1482.59
  SIG2 w5.61: H1.11@554.92,1251.38 600.3,1206 853.36,1206 1130.36,1483 v1(1260,1483)